# Altium PCB 4in1_ESC_8layer.PcbDoc (part 1 of 2) (continued)
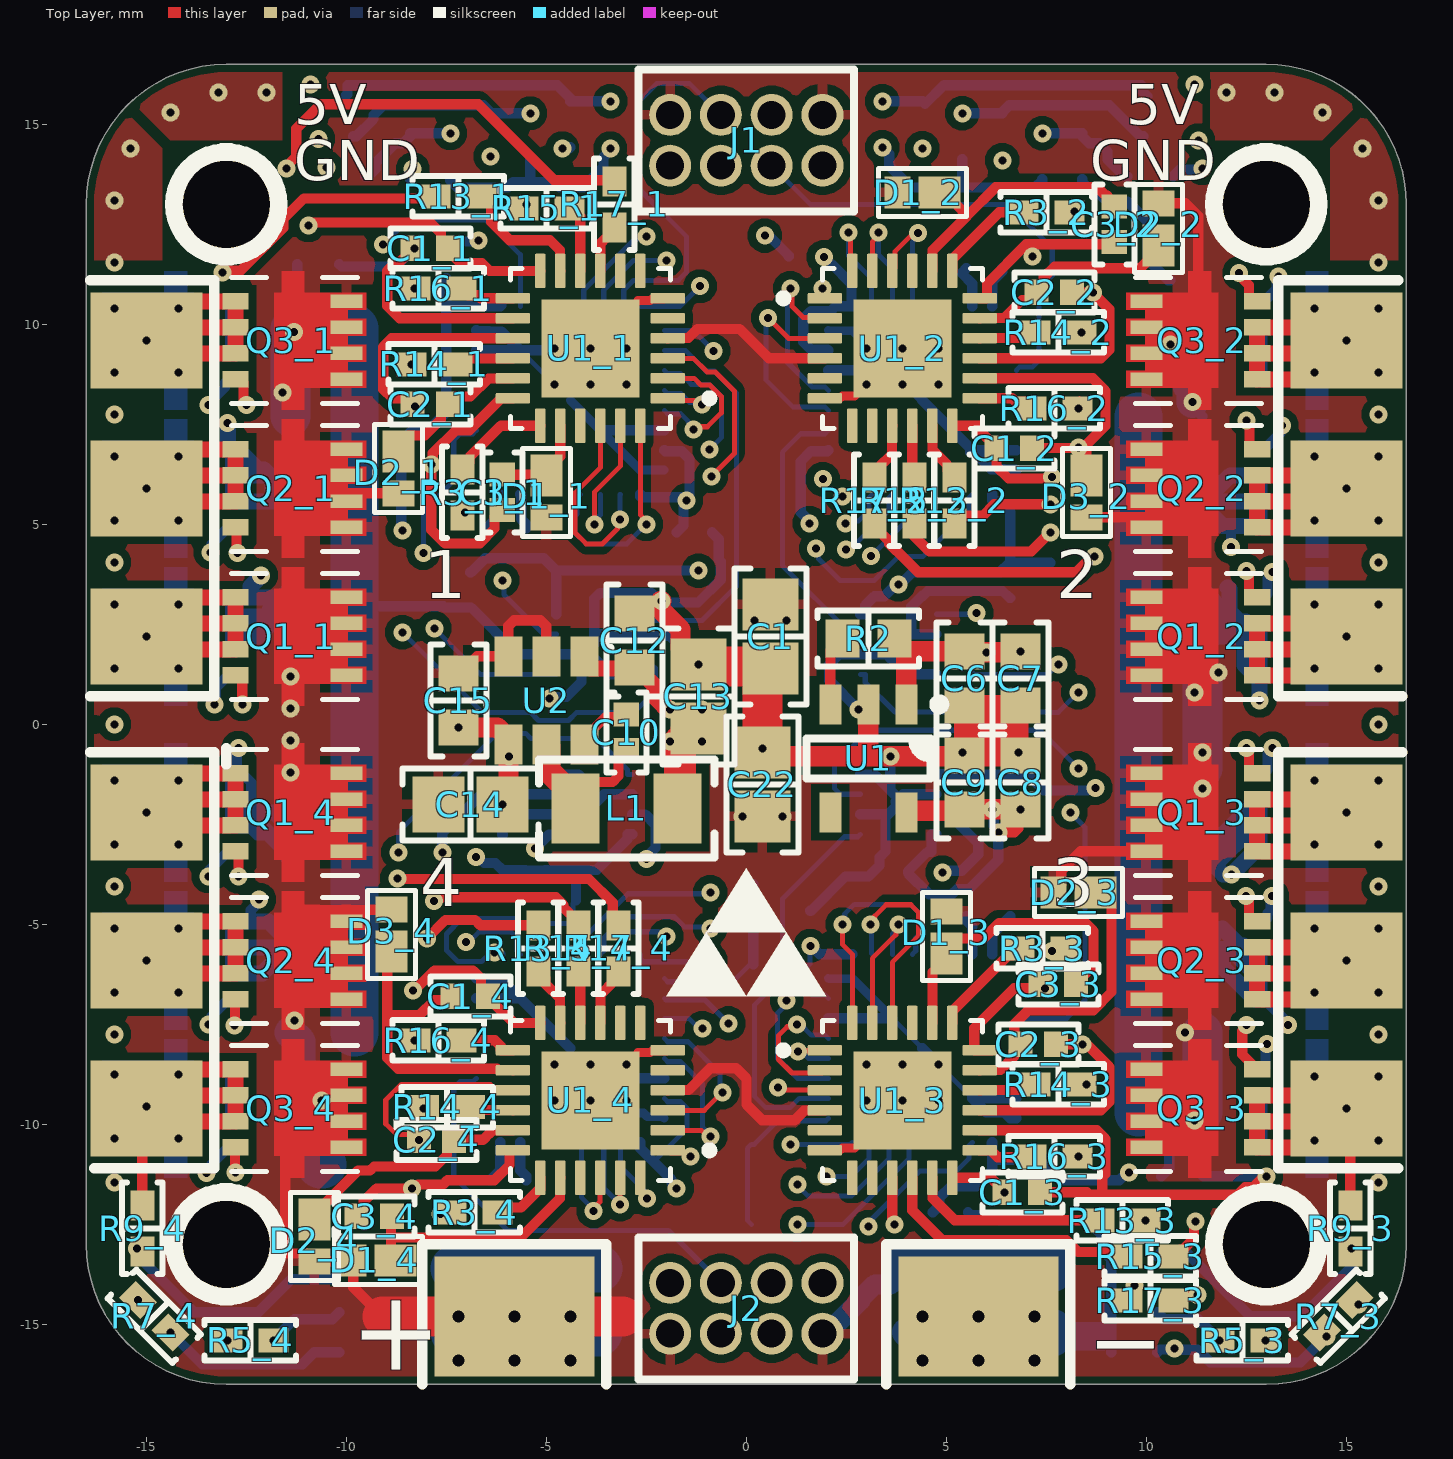
[diagram p0: Top Layer view]
## Footprints (in the part's own frame and the unit in brackets; to place one, negate y for a bottom-side part, rotate by r counter-clockwise, add the part's x,y. Pads: shape width x height; smd on the part's side, far side on the other; paste and mask are expansions set on the pad)
62200821121 [mm] "Pin Header, pitch 1.27 mm, THT, Vertical, dual row, 8p"
  round 1.05 hole 0.7: 1(-1.905,-0.635) 2(-1.905,0.635) 3(-0.635,-0.635) 4(-0.635,0.635) 5(0.635,-0.635) 6(0.635,0.635) 7(1.905,-0.635) 8(1.905,0.635)
  silkscreen extent -2.69,-1.78 2.69,1.78, body extent -2.54,-1.7 2.54,1.7, height 5.33
"CAP 0402_1005" [mm] "Chip Capacitor, 2-Leads, Body 1.02x0.51mm, IPC Medium Density"
  rect 0.6x0.64 smd: 1(-0.44,0) 2(0.44,0)
  silkscreen extent -1,-0.5 1,0.5, body extent -0.5,-0.26 0.5,0.26, height 0.52
"CAP 0603_1608" [mm] "Chip Capacitor, 2-Leads, Body 1.60x0.80mm, IPC Medium Density"
  rect 0.9x1 smd: 1(-0.675,0) 2(0.675,0)
  silkscreen extent -1.4,-0.7 1.4,0.7, body extent -0.8,-0.41 0.8,0.41, height 0.82
"CAP 0805_2012" [mm] "Chip Capacitor, 2-Leads, Body 2.00x1.20mm, IPC Medium Density"
  rect 1.3x1.4 smd: 1(-0.8,0) 2(0.8,0)
  silkscreen extent -1.7,-0.9 1.7,0.9, body extent -1,-0.64 1,0.64, height 1.26
"Diode DFN1608D-2 (SOD1608)" [mm]
  rect 1.05x0.8 smd: 1(-0.425,0)
  rect 0.65x0.8 smd: 2(0.625,0)
  silkscreen extent -1.1,-0.6 1.1,0.6, body extent -0.8,-0.4 0.8,0.4, height 0.4
"IND 1008_2520" [mm] "Chip Inductance, 2-leads, Body 2.5x2.1mm, IPC Medium Density"
  rect 1.2x1.75 smd: 1(-1.275,0) 2(1.275,0)
  silkscreen extent -2.18,-1.22 2.2,1.22, body extent -1.3,-1.05 1.3,1.05, height 1
NVTFS015N04CTAG [mm]
  rect 0.66x0.42 smd: 1(-1.47,0.975) 2(-1.47,0.325) 3(-1.47,-0.325) 4(-1.47,-0.975)
  rect 0.8x0.34 smd: 5(1.3,-0.975) 6(1.3,-0.325) 7(1.3,0.325) 8(1.3,0.975)
  Top Layer region: -0.5,-1.185 -0.5,1.185 -0.32,1.185 -0.32,1.73 0.25,1.73 0.25,1.185 1.8,1.185 1.8,0.765 1.33,0.765 1.33,0.535 1.8,0.535 1.8,0.115 1.33,0.115 1.33,-0.115 1.8,-0.115 1.8,-0.535 1.33,-0.535 1.33,-0.765 1.8,-0.765 1.8,-1.185 0.25,-1.185 0.25,-1.73 -0.32,-1.73 -0.32,-1.185
  silkscreen extent -1.58,-1.58 1.58,1.58, body extent -1.7,-1.7 1.7,1.7, height 1.1
QFN50P400X400X60-32N [mm]
  rect 3.45x3.45 smd mask+0.051: 0(0,0)
  rect 0.6x0.3 smd mask+0.051: 1(-2.35,1.75) 2(-2.35,1.25) 3(-2.35,0.75) 4(-2.35,0.25) 5(-2.35,-0.25) 6(-2.35,-0.75) 7(-2.35,-1.25) 8(-2.35,-1.75) 17(2.35,-1.75) 18(2.35,-1.25) 19(2.35,-0.75) 20(2.35,-0.25) 21(2.35,0.25) 22(2.35,0.75) 23(2.35,1.25) 24(2.35,1.75)
  rect 0.3x0.6 smd mask+0.051: 9(-1.75,-2.35) 10(-1.25,-2.35) 11(-0.75,-2.35) 12(-0.25,-2.35) 13(0.25,-2.35) 14(0.75,-2.35) 15(1.25,-2.35) 16(1.75,-2.35) 25(1.75,2.35) 26(1.25,2.35) 27(0.75,2.35) 28(0.25,2.35) 29(-0.25,2.35) 30(-0.75,2.35) 31(-1.25,2.35) 32(-1.75,2.35)
  silkscreen extent -2.6,-2.25 2.25,2.25, body extent -2.25,-2.25 2.25,2.25, height 0.68
QFN50P400X400X100-25N [mm]
  rrect25% 0.86x0.27 smd: 1(-1.935,1.25) 2(-1.935,0.75) 3(-1.935,0.25) 4(-1.935,-0.25) 5(-1.935,-0.75) 6(-1.935,-1.25) 13(1.935,-1.25) 14(1.935,-0.75) 15(1.935,-0.25) 16(1.935,0.25) 17(1.935,0.75) 18(1.935,1.25)
  rrect25% 0.27x0.86 smd: 7(-1.25,-1.935) 8(-0.75,-1.935) 9(-0.25,-1.935) 10(0.25,-1.935) 11(0.75,-1.935) 12(1.25,-1.935) 19(1.25,1.935) 20(0.75,1.935) 21(0.25,1.935) 22(-0.25,1.935) 23(-0.75,1.935) 24(-1.25,1.935)
  rect 2.45x2.45 smd paste-0.45: 25(0,0)
  silkscreen extent -3.08,-2 2,2, body extent -2,-2 2,2, height 1
"RES 0402_1005" [mm] "Chip Resistor, 2-Leads, Body 1.0x0.5mm, IPC Medium Density"
  rect 0.75x0.6 smd: 1(-0.575,0) 2(0.575,0)
  silkscreen extent -1.14,-0.51 1.14,0.51, body extent -0.5,-0.25 0.5,0.25, height 0.35
"RES 0603_1608" [mm] "Chip Resistor, 2-Leads, Body 1.60x0.80mm, IPC Medium Density"
  rect 0.85x0.95 smd: 1(-0.65,0) 2(0.65,0)
  silkscreen extent -1.27,-0.7 1.27,0.7, body extent -0.8,-0.4 0.8,0.4, height 0.45
"RES 0805_2012" [mm] "Chip Resistor, 2-Leads, Body 2.00x1.25mm, IPC Medium Density"
  rect 1.15x1.35 smd: 1(-0.875,0) 2(0.875,0)
  silkscreen extent -1.7,-0.9 1.7,0.9, body extent -1,-0.62 1,0.63, height 0.6
"TI SOT-23-5 DBV" [mm] "SOT23, 5-Leads, Body 2.90x2.80mm, Pitch 0.95mm, IPC Medium Density"
  rect 1x0.55 smd: 1(-1.35,0.95) 2(-1.35,0) 3(-1.35,-0.95) 4(1.35,-0.95) 5(1.35,0.95)
  silkscreen extent -1.47,-1.55 0.5,1.9, body extent -1.44,-1.43 1.39,1.48, height 1.5
"TP  0.635mm" [mm]
  round 0.635 smd: 1(0,0)
"TSOT-26-6 - 3.2mm" [mm]
  rect 0.7x1 smd: 1(0.95,1.1) 2(0,1.1) 3(-0.95,1.1) 4(-0.95,-1.1) 5(0,-1.1) 6(0.95,-1.1)
  silkscreen extent 1.55,1.25 1.66,1.35, body extent -1.45,-1.2 1.45,1.2, height 1
WSON-8_2x2 [mm]
  rrect25% 0.5x0.25 smd: 1(-0.95,0.75) 2(-0.95,0.25) 3(-0.95,-0.25) 4(-0.95,-0.75) 5(0.95,-0.75) 6(0.95,-0.25) 7(0.95,0.25) 8(0.95,0.75)
  rrect5% 0.9x1.6 smd paste-2: 9(0,0)
  silkscreen extent -1.01,1.14 -0.89,1.26, body extent -1,-1 1,1, height 0.8

## Part data
C1 C2 C3 C4 C5 C11 C16 C17 C18 C19 C20 C21 C22 C23 C24 C25 C26 C27 C28 C29 C30 C31: library part CC0805MKX5R8BB226, "CAP CER 22UF 25V X5R 0805", Device Package="0805 (2012 Metric)", Manufacturer=Yageo, Operating Temperature="-55°C ~ 85°C", Supplier Part Number 1=311-1903-1-ND, Temperature Coefficient=X5R, Tolerance=±20%, Voltage - Rated=25V, Applications="General Purpose", Capacitance="22 µF", ComponentLink1Description=Datasheet, ComponentLink1URL=https://www.yageo.com/upload/media/product/productsearch/datasheet/mlcc/UPY-GPHC_X5R_4V-to-50V_25.pdf, ComponentLink2Description="DigiKey Link", ComponentLink2URL=https://www.digikey.com/en/products/detail/yageo/CC0805MKX5R8BB226/5195309, Lifecycle Status=Active, Minimum Order=1, Mounting Type="Surface Mount, MLCC", Package / Case="0805 (2012 Metric)", Packaging=TapeAndReel, Part Number=CC0805MKX5R8BB226, Part Status=Active, PartId=39226, Price=0.10, Series=CC, Size / Dimension="0.079\" L x 0.049\" W (2.00mm x 1.25mm)", Supplier 1=DigiKey, Thickness (Max)="0.057\" (1.45mm)"
  C1 C2 C3 C4 C5 C11 C16 C17 C18 C19 C21 C22 C23 C24 C25 C26 C27 C28 C29 C30 C31: LastUpdated="8/21/2022 8:03:23 PM"
  C20: LastUpdated="8/25/2022 6:52:09 AM"
C1_1 C1_2 C1_3 C1_4 C2_1 C2_2 C2_3 C2_4 C3_1 C3_2 C3_3 C3_4 C16_1 C16_2 C16_3 C16_4 C17_1 C17_2 C17_3 C17_4 C32_1 C32_2 C32_3 C32_4: library part C0402C104K4RACAUTO, "CAP CER 0.1UF 16V X7R 0402", Device Package="0402 (1005 Metric)", Manufacturer=KEMET, Operating Temperature="-55°C ~ 125°C", Ratings=AEC-Q200, Supplier Part Number 1=399-6828-1-ND, Temperature Coefficient=X7R, Tolerance=±10%, Voltage - Rated=16V, Applications="Automotive, Bypass, Decoupling", Capacitance="0.1 µF", ComponentLink1Description=Datasheet, ComponentLink1URL=https://api.kemet.com/component-edge/download/specsheet/C0402C104K4RACAUTO.pdf, ComponentLink2Description="DigiKey Link", ComponentLink2URL=https://www.digikey.com/en/products/detail/kemet/C0402C104K4RACAUTO/3314827, LastUpdated="8/14/2022 9:05:51 PM", Lifecycle Status=Active, Minimum Order=1, Mounting Type="Surface Mount, MLCC", Package / Case="0402 (1005 Metric)", Packaging=TapeAndReel, Part Number=C0402C104K4RACAUTO, Part Status=Active, PartId=3024, Price=0.01, Series="SMD Auto X7R", Size / Dimension="0.039\" L x 0.020\" W (1.00mm x 0.50mm)", Supplier 1=DigiKey, Thickness (Max)="0.022\" (0.55mm)"
C6 C9 C12: library part GCJ188R71E105KA01D, "CAP CER 1UF 25V X7R 0603", Device Package="0603 (1608 Metric)", Manufacturer="Murata Electronics", Operating Temperature="-55°C ~ 125°C", Ratings=AEC-Q200, Supplier Part Number 1=490-14409-1-ND, Temperature Coefficient=X7R, Tolerance=±10%, Applications="Automotive, Boardflex Sensitive", Capacitance=1µF, ComponentLink1Description=Datasheet, ComponentLink1URL=https://search.murata.co.jp/Ceramy/image/img/A01X/G101/ENG/GCJ188R71E105KA01-01.pdf, ComponentLink2Description="DigiKey Link", ComponentLink2URL=http://digikey.com/product-detail/en/murata-electronics/GCJ188R71E105KA01D/490-14409-1-ND/6606870, Features="Soft Termination", LastUpdated="13-Aug-20 10:24:06 AM", Lifecycle Status=Active, Minimum Order=1, Mounting Type="Surface Mount, MLCC", Package / Case="0603 (1608 Metric)", Packaging=TapeAndReel, Part Number=GCJ188R71E105KA01D, Part Status=Active, PartId=9566, Price=0.05, Series=GCJ, Size / Dimension="0.063\" L x 0.031\" W (1.60mm x 0.80mm)", Supplier 1=DigiKey, Thickness (Max)="0.035\" (0.90mm)"
C7 C8 C15: library part GCG188R92A104KA03D, "CAP CER 0.1UF 100V 0603 EPOXY", Device Package="0603 (1608 Metric)", Manufacturer="Murata Electronics", Operating Temperature="-55°C ~ 150°C", Ratings=AEC-Q200, Supplier Part Number 1=490-18197-1-ND, Temperature Coefficient=X8R, Tolerance=±10%, Voltage - Rated=100V, Applications=Automotive, Capacitance=0.1µF, ComponentLink1Description=Datasheet, ComponentLink1URL=https://search.murata.co.jp/Ceramy/image/img/A01X/G101/ENG/GCG188R92A104KA03-01.pdf, ComponentLink2Description="DigiKey Link", ComponentLink2URL=http://digikey.com/product-detail/en/murata-electronics/GCG188R92A104KA03D/490-18197-1-ND/9867926, Features="Epoxy Mountable", LastUpdated="21-Jan-20 12:01:59 AM", Lifecycle Status=Active, Minimum Order=1, Mounting Type="Surface Mount, MLCC, Epoxy", Package / Case="0603 (1608 Metric)", Packaging=TapeAndReel, Part Number=GCG188R92A104KA03D, Part Status=Active, PartId=9025, Price=0.07, Series=GCG, Size / Dimension="0.063\" L x 0.031\" W (1.60mm x 0.80mm)", Supplier 1=DigiKey, Thickness (Max)="0.035\" (0.90mm)"
C10: library part C0402C104K4RACAUTO, "CAP CER 0.1UF 16V X7R 0402", Capacitance="0.1 µF", Device Package="0402 (1005 Metric)", Manufacturer=KEMET, Operating Temperature="-55°C ~ 125°C", Ratings=AEC-Q200, Supplier Part Number 1=399-6828-1-ND, Temperature Coefficient=X7R, Tolerance=±10%, Voltage - Rated=16V, Applications="Automotive, Bypass, Decoupling", ComponentLink1Description=Datasheet, ComponentLink1URL=https://api.kemet.com/component-edge/download/specsheet/C0402C104K4RACAUTO.pdf, ComponentLink2Description="DigiKey Link", ComponentLink2URL=https://www.digikey.com/en/products/detail/kemet/C0402C104K4RACAUTO/3314827, LastUpdated="8/14/2022 9:05:51 PM", Lifecycle Status=Active, Minimum Order=1, Mounting Type="Surface Mount, MLCC", Package / Case="0402 (1005 Metric)", Packaging=TapeAndReel, Part Number=C0402C104K4RACAUTO, Part Status=Active, PartId=3024, Price=0.01, Series="SMD Auto X7R", Size / Dimension="0.039\" L x 0.020\" W (1.00mm x 0.50mm)", Supplier 1=DigiKey, Thickness (Max)="0.022\" (0.55mm)"
C13: library part CL21A226MOQNNNE, "CAP CER 22UF 16V X5R 0805", Device Package="0805 (2012 Metric)", Manufacturer="Samsung Electro-Mechanics", Operating Temperature="-55°C ~ 85°C", Supplier Part Number 1=1276-2909-1-ND, Temperature Coefficient=X5R, Tolerance=±20%, Voltage - Rated=16V, Applications="General Purpose", Capacitance=22µF, ComponentLink1Description=Datasheet, ComponentLink1URL=http://www.samsungsem.com/kr/support/product-search/mlcc/CL21A226MOQNNNE.jsp, ComponentLink2Description="DigiKey Link", ComponentLink2URL=http://digikey.com/product-detail/en/samsung-electro-mechanics/CL21A226MOQNNNE/1276-2909-1-ND/3890995, LastUpdated="21-Jan-20 12:03:05 AM", Lifecycle Status=Active, Minimum Order=1, Mounting Type="Surface Mount, MLCC", Package / Case="0805 (2012 Metric)", Packaging=TapeAndReel, Part Number=CL21A226MOQNNNE, Part Status=Active, PartId=3052, Price=0.11, Series=CL, Size / Dimension="0.079\" L x 0.049\" W (2.00mm x 1.25mm)", Supplier 1=DigiKey, Thickness (Max)="0.055\" (1.40mm)"
C14: library part C2012X7S1E106K125AC, "CAP CER 10UF 25V X7S 0805", Capacitance=10µF, Device Package="0805 (2012 Metric)", Manufacturer="TDK Corporation", Operating Temperature="-55°C ~ 125°C", Supplier Part Number 1=445-181600-1-ND, Temperature Coefficient=X7S, Tolerance=±10%, Voltage - Rated=25V, Applications="General Purpose", ComponentLink1Description=Datasheet, ComponentLink1URL=https://product.tdk.com/en/search/capacitor/ceramic/mlcc/info?part_no=C2012X7S1E106K125AC?ref_disty=digikey, ComponentLink2Description="DigiKey Link", ComponentLink2URL=http://digikey.com/product-detail/en/tdk-corporation/C2012X7S1E106K125AC/445-181600-1-ND/9991478, Features="Low ESL", LastUpdated="21-Jan-20 12:03:04 AM", Lifecycle Status=Active, Minimum Order=1, Mounting Type="Surface Mount, MLCC", Package / Case="0805 (2012 Metric)", Packaging=TapeAndReel, Part Number=C2012X7S1E106K125AC, Part Status=Active, PartId=3339, Price=0.15, Series=C, Size / Dimension="0.079\" L x 0.049\" W (2.00mm x 1.25mm)", Supplier 1=DigiKey, Thickness (Max)="0.057\" (1.45mm)"
D1_1 D1_2 D1_3 D1_4 D2_1 D2_2 D2_3 D2_4 D3_1 D3_2 D3_3 D3_4: "DFN1608D-2 (SOD1608)", Digikey Part Number=CLV1L-FKB-CHMMQEHBB7673673-ND, Manufacturer=Cree, Mouser Part Number=941-CLV1LFKBC7673673, Package=LED_3MM2X2MM8, Temperature="-40°C to +100°C", Temperature Range High=+100°C, Temperature Range Low=-40°C, ComponentLink1Description=Upverter, ComponentLink1URL=https://upverter.com/upn/revision/9d0b31f7b1982705/, ComponentLink2Description=Datasheet, ComponentLink2URL=http://www.cree.com/~/media/Files/Cree/LED-Components-and-Modules/HB/Data-Sheets/CLV1L-FKB-1238.pdf, Digikey Description="DIODE LED RGB DIFFUSED 4LCC SMD", Lead Free=yes, Price=0.203999996142, RoHS=TRUE, Supplier 1=Digi-Key, Supplier 2=Mouser, Supplier Part Number 1=CLV1L-FKB-CHMMQEHBB7673673-ND, Supplier Part Number 2=941-CLV1LFKBC7673673
J1 J2: "WR-PHD Pin Header, THT, pitch 1.27mm, Dual Row, Vertical, 8p", Contact Resistance=20mOhm, Manufacturer="Wurth Elektronik", Operating Temperature="-40 to +105degC", Rated Current=1A, Withstanding Voltage=500VAC, Working Voltage=100VAC, ComponentLink1Description=Manufacturer, ComponentLink1URL=http://www.we-online.de, ComponentLink2Description=Datasheet, ComponentLink2URL=https://www.we-online.com/catalog/datasheet/62200821121.pdf, Gender="Pin Header", Manufacturer Part Number=62200821121, Mounting Technology=THT, Orientation=Vertical, Packaging=Box, Pin Number=8, Pitch=1.27mm, Published Date="May 2020", Row Number=Dual, System=Connector
L1: library part MLP2520S4R7ST0S1, "FIXED IND 4.7UH 1A 110 MOHM SMD", Current Rating (Amps)=1A, DC Resistance (DCR)="143mOhm Max", Device Package="1008 (2520 Metric)", Inductance Frequency - Test=2MHz, Manufacturer="TDK Corporation", Operating Temperature="-40°C ~ 125°C", Supplier Part Number 1=445-6378-1-ND, Tolerance=±20%, ComponentLink1Description=Datasheet, ComponentLink1URL=https://product.tdk.com/info/en/catalog/datasheets/inductor_commercial_power_mlp2520_en.pdf?ref_disty=digikey, ComponentLink2Description="DigiKey Link", ComponentLink2URL=http://digikey.com/product-detail/en/tdk-corporation/MLP2520S4R7ST0S1/445-6378-1-ND/2465705, Height - Seated (Max)="0.039\" (1.00mm)", Inductance=4.7µH, LastUpdated="13-Aug-20 11:03:40 AM", Lifecycle Status=Active, Material - Core=Ferrite, Minimum Order=1, Mounting Type="Surface Mount", Package / Case="1008 (2520 Metric)", Packaging=TapeAndReel, Part Number=MLP2520S4R7ST0S1, Part Status=Active, PartId=3467, Price=0.14, Series=MLP, Shielding=Shielded, Size / Dimension="0.098\" L x 0.079\" W (2.50mm x 2.00mm)", Supplier 1=DigiKey, Supplier Device Package="1008 (2520 Metric)", Type=Multilayer
Q1_1 Q1_2 Q1_3 Q1_4 Q2_1 Q2_2 Q2_3 Q2_4 Q3_1 Q3_2 Q3_3 Q3_4 Q4_1 Q4_2 Q4_3 Q4_4 Q5_1 Q5_2 Q5_3 Q5_4 Q6_1 Q6_2 Q6_3 Q6_4: "N-FET"
R1_1 R1_2 R1_3 R1_4 R18_1 R18_2 R18_3 R18_4: library part PCAN0805E2002BST5, "RES SMD 20K OHM 0.1% 1W 0805", Device Package="0805 (2012 Metric)", Manufacturer="Vishay Thin Film", Operating Temperature="-55°C ~ 155°C", Power (Watts)=1W, Supplier Device Package=0805, Supplier Part Number 1=764-1242-1-ND, Temperature Coefficient=±25ppm/°C, Tolerance=±0.1%, ComponentLink1Description=Datasheet, ComponentLink1URL=http://www.vishay.com/docs/60125/pcan.pdf, ComponentLink2Description="DigiKey Link", ComponentLink2URL=http://digikey.com/product-detail/en/vishay-thin-film/PCAN0805E2002BST5/764-1242-1-ND/6003316, Composition="Thin Film", Features="Flame Proof, Moisture Resistant, Safety", Height - Seated (Max)="0.018\" (0.46mm)", LastUpdated="8/26/2022 12:02:22 PM", Lifecycle Status=Active, Minimum Order=1, Number of Terminations=2, Package / Case="0805 (2012 Metric)", Packaging=TapeAndReel, Part Number=PCAN0805E2002BST5, Part Status=Active, PartId=32096, Price=0.59, Resistance="20 kOhms", Series=PCAN, Size / Dimension="0.080\" L x 0.050\" W (2.03mm x 1.27mm)", Supplier 1=DigiKey
R2: library part RNCS0603BKE10K0, "RES 10K OHM 0.1% 1/16W 0603", Device Package="0603 (1608 Metric)", Manufacturer="Stackpole Electronics Inc", Operating Temperature="-55°C ~ 155°C", Power (Watts)="0.063W, 1/16W", Ratings=AEC-Q200, Supplier Device Package=0603, Supplier Part Number 1=RNCS0603BKE10K0CT-ND, Temperature Coefficient=±25ppm/°C, Tolerance=±0.1%, ComponentLink1Description=Datasheet, ComponentLink1URL=https://www.seielect.com/catalog/sei-rncs_rnch.pdf, ComponentLink2Description="DigiKey Link", ComponentLink2URL=http://digikey.com/product-detail/en/stackpole-electronics-inc/RNCS0603BKE10K0/RNCS0603BKE10K0CT-ND/1800113, Composition="Thin Film", Features="Anti-Corrosive, Automotive AEC-Q200, Moisture Resistant", Height - Seated (Max)="0.022\" (0.55mm)", LastUpdated="21-Jan-20 12:25:01 AM", Lifecycle Status=Active, Minimum Order=1, Number of Terminations=2, Package / Case="0603 (1608 Metric)", Packaging=TapeAndReel, Part Number=RNCS0603BKE10K0, Part Status=Active, PartId=4838, Price=0.08, Resistance="10 kOhms", Series=RNCS, Size / Dimension="0.061\" L x 0.031\" W (1.55mm x 0.80mm)", Supplier 1=DigiKey
R3_1 R3_2 R3_3 R3_4 R4_1 R4_2 R4_3 R4_4 R5_1 R5_2 R5_3 R5_4 R6_1 R6_2 R6_3 R6_4 R7_1 R7_2 R7_3 R7_4 R8_1 R8_2 R8_3 R8_4 R9_1 R9_2 R9_3 R9_4 R10_1 R10_2 R10_3 R10_4 R11_1 R11_2 R11_3 R11_4 R12_1 R12_2 R12_3 R12_4 R13_1 R13_2 R13_3 R13_4 R14_1 R14_2 R14_3 R14_4 R15_1 R15_2 R15_3 R15_4 R16_1 R16_2 R16_3 R16_4 R17_1 R17_2 R17_3 R17_4: library part RK73H1ETTP1432F, "RES 14.3K OHM 1% 1/10W 0402", Device Package="0402 (1005 Metric)", Manufacturer="KOA Speer Electronics, Inc.", Operating Temperature="-55°C ~ 155°C", Power (Watts)="0.1W, 1/10W", Ratings=AEC-Q200, Resistance="14.3 kOhms", Supplier Device Package=0402, Supplier Part Number 1=2019-RK73H1ETTP1432FCT-ND, Temperature Coefficient=±100ppm/°C, Tolerance=±1%, ComponentLink1Description=Datasheet, ComponentLink1URL=http://www.koaspeer.com/catimages/Products/RK73H/RK73H.pdf, ComponentLink2Description="DigiKey Link", ComponentLink2URL=https://www.digikey.com/en/products/detail/koa-speer-electronics-inc/RK73H1ETTP1432F/9844351, Composition="Thick Film", Features="Automotive AEC-Q200, Moisture Resistant", Height - Seated (Max)="0.016\" (0.40mm)", LastUpdated="8/14/2022 9:23:49 PM", Lifecycle Status=Active, Minimum Order=1, Number of Terminations=2, Package / Case="0402 (1005 Metric)", Packaging=CutTape, Part Number=RK73H1ETTP1432F, Part Status=Active, PartId=10193, Price=0.01, Series=RK73H, Size / Dimension="0.039\" L x 0.020\" W (1.00mm x 0.50mm)", Supplier 1=DigiKey
TP1_1 TP1_2 TP1_3 TP1_4 TP2_1 TP2_2 TP2_3 TP2_4: library part "TP 0.635mm", "Test point"
U1: library part MIC5504-3.3YM5, "3.3V LDO"
U1_1 U1_2 U1_3 U1_4: "3 Phase Gate Driver 1.5-2.2A", Package="VSON-10 Texas Instruments", Availability=Warning, DigiKey-Purchase-URL=https://snapeda.com/shop?store=DigiKey&id=3625400, MF="Texas Instruments", MP=UCC27282DRCR, Price=None, SnapEDA_Link=https://www.snapeda.com/parts/UCC27282DRCR/Texas%20Instruments/view-part/3625400/?ref=snap, Texas_Instruments-Purchase-URL=https://snapeda.com/shop?store=Texas+Instruments&id=3625400
U2: library part AP63205WU-7, "5V fixed step down Buck"
U3_1 U3_2 U3_3 U3_4: "MCU UFQFPN-32"
U4_1 U4_2 U4_3 U4_4: "Current sense amplifier 4 channel"

## Free pads (board coordinates)
  rect 2.8x2.4 smd: 1(-15,-2.2) 1(-15,2.2) 1(15,-2.2) 1(15,2.2) 2(-15,-5.9) 2(15,-5.9) 2(15,5.9) 3(-15,-9.6) 3(-15,5.9) 3(-15,9.6) 3(15,-9.6) 3(15,9.6)
  round 1.524 hole 2.2: 1(-13,-13) 1(-13,13) 1(13,-13) 1(13,13)
  rect 4x3 smd: 2(-5.8,-14.8) 2(5.8,-14.8)

## Via types
v1: diameter 0.45, hole 0.2, Top Layer to Bottom Layer, tented both sides, 328 vias
v2: diameter 0.6, hole 0.3, Top Layer to Bottom Layer, tented both sides, 12 vias

## Nets (pads, with @x,y where several pads share a name; then routed paths per layer and width w, separated by ;. In a path a pad name is that pad's centre, name@x,y a point inside that pad or via, vN(x,y) a via of type N, cw(c..) or ccw(c..) an arc to the next point about the centre after c; other vN are vias at no path point)
3V3: C8.1 C9.2 C16_1.2 C16_2.2 C16_3.2 C16_4.2 C17_1.2 C17_2.2 C17_3.2 C17_4.2 C32_1.1 C32_2.1 C32_3.1 C32_4.1 U1.5 U3_1.1 U3_1.15 U3_1.17 U3_2.1 U3_2.15 U3_2.17 U3_3.1 U3_3.15 U3_3.17 U3_4.1 U3_4.15 U3_4.17 U4_1.8 U4_2.8 U4_3.8 U4_4.8 | length 66.5
  Top Layer w0.254: v1(6.3,-2.7) 6.7,-2.7 6.8,-2.6 6.8,-2.175 v1(6.85,-2.125)
  Top Layer w0.512: U1.5@4,-2.2 4,-2.181 4.019,-2.163 5.412,-2.163 C9.2@5.45,-2.125 v1(6.15,-2.125) v1(6.85,-2.125)
  Bottom Layer w0.127: v1(-6.3,-5.7) -6.387,-5.7 -6.621,-5.934 -7.21,-5.934 -7.496,-5.648 -7.496,-5.243 -7.112,-4.86 -5.755,-4.86 -5.631,-4.984 -4.483,-4.984 -4.336,-4.836 -4.336,-4.476 C17_4.2@-4.26,-4.4 ; -2.325,-10.925 -2.302,-10.925 -1.486,-10.109 -1.486,-9.591 -1.641,-9.436 -1.963,-9.436 U3_4.15@-2.05,-9.35 ; v1(1.6,-5.54) 1.589,-5.551 1.589,-5.989 1.486,-6.091 1.486,-6.609 1.641,-6.763 1.963,-6.763 U3_3.15@2.05,-6.85
  Bottom Layer w0.254: v1(-8.6,4.848) -8.627,4.875 -8.627,7.073 -8.4,7.3 -8,7.3 -7.5,7.8 -7.5,10.5 ; C16_1.2@-7.5,11.16 -7.5,10.5 ; C32_1.1@-6.9,3.8 -6.88,3.8 -6.528,4.152 -5.06,4.152 -4.75,3.842 ; v1@-6.783,-3.317 v1(-6.759,-3.317) -6.705,-3.317 -6.555,-3.467 -6.273,-3.467 C32_4.1@-6.1,-3.64 -5.526,-3.64 -5.508,-3.658 -5.051,-3.658 -5.033,-3.64 -4.26,-3.64 ; v1(-6.3,-5.7) -6.275,-5.725 -6.173,-5.725 U3_4.1@-6.15,-5.75 U3_4.1@-6.15,-5.75 ; U4_1.8@-4.75,2.75 -4.75,3.842 ; C17_4.2@-4.26,-4.4 -4.26,-3.64 ; -3.741,-3.64 -4.26,-3.64 ; -3.723,-3.622 -2.973,-2.872 -2.973,-2.752 -2.971,-2.75 U4_4.8@-2.85,-2.75 ; U3_4.17@-2.65,-10.45 -2.65,-10.6 -2.325,-10.925 -1.873,-11.377 -1.873,-11.467 v1(-1.74,-11.6) ; U3_1.17@-2.65,5.75 -2.65,5.698 -2.627,5.675 -1.575,5.675 v1(-1.5,5.6) ; U3_1.15@-2.05,6.85 -2.027,6.827 -1.615,6.827 -1.423,6.635 -1.423,5.73 -1.5,5.653 v1(-1.5,5.6) ; C17_1.2@-1.74,4.8 -1.567,4.973 -1.567,5.48 -1.5,5.547 v1(-1.5,5.6) ; v1(-1.193,3.842) -4.75,3.842 ; v1(1.6,-5.54) 1.62,-5.54 1.83,-5.75 U3_3.17@2.65,-5.75 ; C17_2.2@1.94,11.7 v1(1.94,11.68) 2.113,11.507 2.133,11.507 2.627,11.013 2.627,10.473 U3_2.17@2.65,10.45 2.231,10.45 2.108,10.327 1.615,10.327 1.423,10.135 1.423,9.565 1.615,9.373 2.027,9.373 U3_2.15@2.05,9.35 ; U4_2.8@2.85,2.75 2.971,2.75 2.973,2.752 2.973,2.973 3.202,3.202 3.449,3.202 3.747,3.5 v1(3.8,3.5) 3.853,3.5 4.153,3.8 6.34,3.8 6.58,4.04 C32_2.1@6.6,4.04 ; C16_3.2@4.66,-12.2 4.833,-12.027 4.833,-11.825 5.105,-11.553 5.747,-11.553 6.15,-11.15 6.15,-10.8 ; U4_3.8@4.75,-2.75 4.629,-2.75 4.627,-2.752 4.627,-3.192 4.528,-3.192 4.04,-3.68 C32_3.1@4.04,-3.7 4.04,-3.72 4.572,-4.252 5.137,-4.252 5.272,-4.116 5.573,-4.116 6.3,-3.389 v1(6.3,-2.7) v1@6.3,-2.687 ; U3_3.1@6.127,-10.473 U3_3.1@6.15,-10.45 6.15,-10.8 ; U3_2.1@6.15,5.75 6.15,5.6 6.173,5.577 6.323,5.577 6.6,5.3 C32_2.1@6.6,4.04 ; C16_2.2@7.6,4.04 C32_2.1@6.6,4.04 ; v1(9.571,-11.21) 9.518,-11.21 9.328,-11.4 7.845,-11.4 7.33,-10.885 6.235,-10.885 6.15,-10.8 ; -7.5,10.5 -7.45,10.45 U3_1.1@-6.15,10.45 ; U3_1.1@-6.15,10.45 -6.127,10.473 U3_1.1@-6.15,10.45 ; v1@6.3,-2.687 6.3,-2.647 6.188,-2.534 6.188,-2.163 v1(6.15,-2.125) v1(6.85,-2.125) 6.85,-2.137 v1@6.3,-2.687
5V: C6.2 C7.1 C12.2 C13.2 L1.2 R2.2 U1.1 U2.1 | length 9.9
  Top Layer w0.254: L1.2@-1.725,-2.1 L1.2@-1.662,-2.038
  Top Layer w0.4: U2.1@-3.917,1.833 U2.1@-4.05,1.7 -4.05,1.55 -3.9,1.4 -2.7,1.4 -2.7,1.375 -2.3,0.975 -2.3,0.684 -2.066,0.45 -2.001,0.45 -1.92,0.369 v1(-1.906,0.369)
  Top Layer w0.512: R2.2@3.7,2.15 R2.2@3.7,2.123 ; U1.1@4,0.5 4,1.8 3.7,2.1 R2.2@3.7,2.123 ; v1(6.85,1.825) 6.825,1.8 5.475,1.8 C6.2@5.45,1.825 3.998,1.825 R2.2@3.7,2.123
  Top Layer w0.8: L1.2@-1.662,-2.038 C13.2@-1.662,-0.431
  other v1: -1.906,-0.431 -1.106,-0.431 -1.106,0.369 6,1.8 -14.4,15.3 14.4,15.3 -13.2,15.8 -12,15.8 12,15.8 13.2,15.8
BSTA_1: C3_1.1 D1_1.1 U1_1.20 | length 2.5
  Top Layer w0.254: C3_1.1@-6.1,6.24 -5.015,6.24 D1_1.1@-5,6.225 -5,6.35 -4.65,6.7 U1_1.20@-4.65,7.465
BSTA_2: C3_2.1 D1_2.1 U1_2.20 | length 6.9
  Top Layer w0.254: U1_2.20@4.65,11.335 4.658,11.343 4.658,11.851 4.899,12.092 ; D1_2.1@4.825,13.3 4.95,13.3 5.223,13.027 5.223,13.019 5.525,12.718 4.899,12.092 ; 5.529,12.721 6.234,13.427 8.773,13.427 8.987,13.213 9.027,13.213 9.027,13.113 C3_2.1@9.2,12.94
BSTA_3: C3_3.1 D1_3.1 U1_3.20 | length 7.5
  Top Layer w0.254: U1_3.20@4.65,-7.465 4.658,-7.457 4.658,-6.192 5,-5.85 5,-5.625 5.273,-5.352 5.936,-5.352 6.315,-4.973 8.485,-4.973 8.677,-5.165 8.677,-6.043 8.24,-6.48 C3_3.1@8.24,-6.5
BSTA_4: C3_4.1 D1_4.1 U1_4.20 | length 6.3
  Top Layer w0.254: D1_4.1@-9.075,-13.4 -8.88,-13.205 -8.88,-12.827 ; C3_4.1@-8.86,-12.3 -8.88,-12.32 -8.88,-12.827 ; U1_4.20@-4.65,-11.335 -4.658,-11.343 -4.658,-11.851 -4.899,-12.092 -5.634,-12.827 -8.88,-12.827
BSTB_1: C2_1.1 D2_1.1 U1_1.17 | length 3.8
  Top Layer w0.254: D2_1.1@-8.7,6.825 -8.7,6.95 -8.427,7.223 -8.035,7.223 -7.633,7.625 -7.633,7.827 C2_1.1@-7.46,8 -7.46,8.02 -7.287,8.193 -6.895,8.193 -6.446,8.642 -5.843,8.642 U1_1.17@-5.835,8.65
BSTB_2: C2_2.1 D2_2.1 U1_2.17 | length 5.5
  Top Layer w0.254: U1_2.17@5.835,10.15 5.843,10.158 6.446,10.158 6.895,10.607 7.087,10.607 7.26,10.78 C2_2.1@7.26,10.8 7.433,10.973 7.433,11.175 7.705,11.447 8.731,11.447 8.778,11.4 9.85,11.4 10.3,11.85 D2_2.1@10.3,11.975
BSTB_3: C2_3.1 D2_3.1 U1_3.17 | length 7.6
  Top Layer w0.254: U1_3.17@5.835,-8.65 5.843,-8.642 6.358,-8.642 6.687,-8.313 6.687,-8.173 C2_3.1@6.86,-8 ; C2_3.1@6.996,-7.864 C2_3.1@6.86,-8 ; D2_3.1@8.725,-4.2 8.85,-4.2 9.131,-4.481 9.131,-6.691 8.675,-7.147 7.605,-7.147 7.6,-7.152 7.048,-7.152 6.7,-7.5 6.7,-7.84 C2_3.1@6.86,-8
BSTB_4: C2_4.1 D2_4.1 U1_4.17 | length 6.2
  Top Layer w0.127: C2_4.1@-7.544,-10.628 -7.481,-10.564 C2_4.1@-7.308,-10.391
  Top Layer w0.254: D2_4.1@-10.8,-12.375 -10.8,-12.25 -9.702,-11.152 -9.405,-11.152 -9.307,-11.054 -7.769,-11.054 -7.481,-10.767 C2_4.1@-7.481,-10.564 ; C2_4.1@-7.26,-10.5 -7.146,-10.386 -6.579,-10.386 -6.42,-10.227 -6.415,-10.227 -6.346,-10.158 -5.843,-10.158 U1_4.17@-5.835,-10.15
BSTC_1: C1_1.1 D3_1.1 U1_1.14 | length 7.2
  Top Layer w0.254: C1_1.1@-8.378,11.862 C1_1.1@-8.34,11.9 ; v1(-8.3,11.9) C1_1.1@-8.34,11.9 ; U1_1.14@-5.835,10.15 -8.662,10.15 -8.977,10.465 -8.977,11.335 -8.785,11.527 -8.693,11.527 -8.34,11.88 C1_1.1@-8.34,11.9
  Bottom Layer w0.254: D3_1.1@-10.175,11.5 -10.118,11.443 -8.757,11.443 v1(-8.3,11.9)
BSTC_2: C1_2.1 D3_2.1 U1_2.14 | length 7.7
  Top Layer w0.254: U1_2.14@5.835,8.65 8.662,8.65 8.977,8.335 8.977,7.465 v1@8.5,6.988 ; C1_2.1@7.14,6.9 7.147,6.907 8.295,6.907 v1(8.302,6.914) 8.302,6.423 D3_2.1@8.5,6.225 v1@8.5,6.988 ; v1@8.406,6.894 v1@8.5,6.988 ; 8.556,7.044 v1@8.5,6.988
BSTC_3: C1_3.1 D3_3.1 U1_3.14 | length 12.1
  Top Layer w0.254: U1_3.14@5.835,-10.15 8.762,-10.15 8.977,-10.365 8.977,-11.235 8.9,-11.312 8.9,-11.762 ; C1_3.1@7.34,-11.7 8.512,-11.7 8.574,-11.762 8.9,-11.762 ; v1(13,-11.3) 12.947,-11.3 12.674,-11.573 12.474,-11.573 12.285,-11.762 8.9,-11.762
  Bottom Layer w0.254: D3_3.1@11.425,-11.3 v1(13,-11.3)
BSTC_4: C1_4.1 D3_4.1 U1_4.14 | length 7.8
  Top Layer w0.254: D3_4.1@-8.869,-5.685 -8.977,-5.793 -8.977,-7.3 ; C1_4.1@-7.34,-6.8 -7.433,-6.893 -7.793,-6.893 -8.173,-7.273 -8.95,-7.273 -8.977,-7.3 ; U1_4.14@-5.835,-8.65 -5.843,-8.642 -6.209,-8.642 -6.239,-8.612 -8.7,-8.612 -8.977,-8.335 -8.977,-7.3
ESC1: J1.3 U3_1.27 | length 18.5
  Layer 3 w0.127: v1(-8.075,4.282) -6.528,4.282 -2.009,8.8 -0.659,8.8 -0.328,9.131 -0.328,12.79 -0.635,13.097 J1.3@-0.635,13.965
  Bottom Layer w0.127: v1(-8.075,4.282) -8.075,5.325 -7.314,6.086 -7.314,7.109 -7.159,7.264 -6.837,7.264 U3_1.27@-6.75,7.35
ESC2: J1.5 U3_2.27 | length 11.5
  Bottom Layer w0.127: J1.5@0.635,13.965 1.6,13 6.551,13 7.648,11.902 7.648,11.222 7.313,10.887 7.313,9.091 7.159,8.936 6.836,8.936 U3_2.27@6.75,8.85
ESC3: J2.3 U3_3.27 | length 21.6
  Layer 3 w0.127: J2.3@0.635,-13.965 0.611,-13.941 0.611,-10.198 8.1,-2.709 v1(8.1,-2.204)
  Bottom Layer w0.127: U3_3.27@6.75,-7.35 8.012,-7.35 8.463,-6.898 8.463,-2.567 v1(8.1,-2.204)
ESC4: J2.5 U3_4.27 | length 10.7
  Bottom Layer w0.127: U3_4.27@-6.75,-8.85 -6.836,-8.936 -7.159,-8.936 -7.313,-9.091 -7.313,-11.308 -5.965,-12.657 -1.943,-12.657 J2.5@-0.635,-13.965
GHA_1: R3_1.1 U1_1.19 | length 2.5
  Top Layer w0.254: R3_1.1@-7.1,6.375 -6.927,6.548 -6.927,6.673 -6.135,7.465 U1_1.19@-5.15,7.465
GHA_2: R3_2.1 U1_2.19 | length 2.6
  Top Layer w0.254: U1_2.19@5.15,11.335 5.15,11.63 6.32,12.8 R3_2.1@6.925,12.8
GHA_3: R3_3.1 U1_3.19 | length 2.6
  Top Layer w0.254: U1_3.19@5.15,-7.465 5.158,-7.457 5.158,-7.162 6.547,-5.773 6.652,-5.773 R3_3.1@6.825,-5.6
GHA_4: R3_4.1 U1_4.19 | length 1.6
  Top Layer w0.254: R3_4.1@-6.225,-12.2 -6.108,-12.083 -5.636,-12.083 -5.192,-11.638 -5.158,-11.638 -5.15,-11.63 U1_4.19@-5.15,-11.335
GHB_1: R14_1.1 U1_1.16 | length 1.5
  Top Layer w0.254: R14_1.1@-7.225,9 -7.083,9.142 -5.843,9.142 U1_1.16@-5.835,9.15
GHB_2: R14_2.1 U1_2.16 | length 1.5
  Top Layer w0.254: U1_2.16@5.835,9.65 5.843,9.658 7.083,9.658 R14_2.1@7.225,9.8
GHB_3: R14_3.1 U1_3.16 | length 1.5
  Top Layer w0.254: U1_3.16@5.835,-9.15 5.843,-9.142 7.083,-9.142 R14_3.1@7.225,-9
GHB_4: R14_4.1 U1_4.16 | length 1.1
  Top Layer w0.254: R14_4.1@-6.925,-9.6 -6.883,-9.642 -5.843,-9.642 U1_4.16@-5.835,-9.65
GHC_1: R16_1.1 U1_1.13 | length 1.4
  Top Layer w0.254: R16_1.1@-7.125,10.9 -6.952,10.727 -6.723,10.727 -6.646,10.65 U1_1.13@-5.835,10.65
GHC_2: R16_2.1 U1_2.13 | length 1.4
  Top Layer w0.254: U1_2.13@5.835,8.15 6.646,8.15 6.723,8.073 6.952,8.073 R16_2.1@7.125,7.9
GHC_3: R16_3.1 U1_3.13 | length 1.4
  Top Layer w0.254: U1_3.13@5.835,-10.65 6.13,-10.65 6.138,-10.658 6.138,-10.674 6.287,-10.823 7.048,-10.823 7.071,-10.8 R16_3.1@7.125,-10.8
GHC_4: R16_4.1 U1_4.13 | length 1.4
  Top Layer w0.254: R16_4.1@-7.125,-7.9 -6.287,-7.9 -6.138,-8.049 -6.138,-8.142 -6.13,-8.15 U1_4.13@-5.835,-8.15
GLA_1: R13_1.1 U1_1.11 | length 3.3
  Top Layer w0.254: R13_1.1@-6.625,13.2 -6.55,13.2 -6.377,13.027 -6.377,12.565 -5.912,12.1 -4.907,12.1 -4.658,11.851 -4.658,11.343 U1_1.11@-4.65,11.335
GLA_2: R13_2.1 U1_2.11 | length 1.5
  Top Layer w0.254: U1_2.11@4.65,7.465 4.658,7.457 4.658,6.854 5.027,6.485 5.027,6.348 R13_2.1@5.2,6.175
GLA_3: R13_3.1 U1_3.11 | length 4.9
  Top Layer w0.254: U1_3.11@4.65,-11.335 4.658,-11.343 4.658,-11.851 5.207,-12.4 R13_3.1@8.825,-12.4
GLA_4: R13_4.1 U1_4.11 | length 1.5
  Top Layer w0.254: R13_4.1@-5.2,-6.175 -5.027,-6.348 -5.027,-6.485 -4.658,-6.854 -4.658,-7.457 U1_4.11@-4.65,-7.465
GLB_1: R15_1.1 U1_1.10 | length 1.7
  Top Layer w0.254: R15_1.1@-4.425,12.9 -4.35,12.9 -4.15,12.7 U1_1.10@-4.15,11.335
GLB_2: R15_2.1 U1_2.10 | length 1.3
  Top Layer w0.254: U1_2.10@4.15,7.465 4.15,6.225 R15_2.1@4.2,6.175
GLB_3: R15_3.1 U1_3.10 | length 6.7
  Top Layer w0.254: U1_3.10@4.15,-11.335 4.15,-12.15 4.9,-12.9 8,-12.9 8.289,-13.189 9.414,-13.189 R15_3.1@9.525,-13.3
GLB_4: R15_4.1 U1_4.10 | length 1.3
  Top Layer w0.254: R15_4.1@-4.2,-6.175 -4.15,-6.225 U1_4.10@-4.15,-7.465
GLC_1: R17_1.1 U1_1.9 | length 1.2
  Top Layer w0.254: U1_1.9@-3.65,11.335 -3.642,11.343 -3.642,12.028 -3.493,12.177 -3.473,12.177 -3.3,12.35 R17_1.1@-3.3,12.425
GLC_2: R17_2.1 U1_2.9 | length 1.5
  Top Layer w0.254: R17_2.1@3.2,6.175 3.2,6.25 3.3,6.35 3.3,6.412 3.642,6.754 3.642,7.457 U1_2.9@3.65,7.465
GLC_3: R17_3.1 U1_3.9 | length 8.1
  Top Layer w0.254: U1_3.9@3.65,-11.335 3.65,-12.397 3.7,-12.447 v1(3.7,-12.5)
  Layer 3 w0.254: v1(3.7,-12.5) 4.169,-12.969 4.169,-13.469 4.725,-14.025 v1(9.7,-14.025)
GLC_4: R17_4.1 U1_4.9 | length 1.5
  Top Layer w0.254: U1_4.9@-3.65,-7.465 -3.642,-7.457 -3.642,-6.754 -3.3,-6.412 -3.3,-6.35 -3.2,-6.25 R17_4.1@-3.2,-6.175
GND: C1.1 C2.1 C3.1 C4.1 C5.1 C6.1 C7.2 C8.2 C9.1 C11.1 C12.1 C13.1 C14.1 C15.2 C16.1 C16_1.1 C16_2.1 C16_3.1 C16_4.1 C17.1 C17_1.1 C17_2.1 C17_3.1 C17_4.1 C18.1 C19.1 C20.1 C21.1 C22.1 C23.1 C24.1 C25.1 C26.1 C27.1 C28.1 C29.1 C30.1 C31.1 C32_1.2 C32_2.2 C32_3.2 C32_4.2 J1.1 J1.7 J2.1 J2.7 pad.2@5.8,-14.8 Q6_1.1 Q6_1.2 Q6_1.3 Q6_2.1 Q6_2.2 Q6_2.3 Q6_3.1 Q6_3.2 Q6_3.3 Q6_4.1 Q6_4.2 Q6_4.3 R1_1.1 R1_2.1 R1_3.1 R1_4.1 R10_1.1 R10_2.1 R10_3.1 R10_4.1 R11_1.1 R11_2.1 R11_3.1 R11_4.1 R12_1.1 R12_2.1 R12_3.1 R12_4.1 R18_1.1 R18_2.1 R18_3.1 R18_4.1 U1.2 U1_1.6 U1_1.25 U1_2.6 U1_2.25 U1_3.6 U1_3.25 U1_4.6 U1_4.25 U2.4 U3_1.0 U3_1.14 U3_1.16 U3_1.31 U3_1.32 U3_2.0 U3_2.14 U3_2.16 U3_2.31 U3_2.32 U3_3.0 U3_3.14 U3_3.16 U3_3.31 U3_3.32 U3_4.0 U3_4.14 U3_4.16 U3_4.31 U3_4.32 U4_1.2 U4_1.4 U4_1.6 U4_1.9 U4_2.2 U4_2.4 U4_2.6 U4_2.9 U4_3.2 U4_3.4 U4_3.6 U4_3.9 U4_4.2 U4_4.4 U4_4.6 U4_4.9 | length 178.9
  Top Layer w0.22: v1(-4.8,8.5) v1(-3.9,9.4) -2.705,10.595 -2.406,10.595 -2.376,10.625 -2.075,10.625 U1_1.6@-2.059,10.642 ; v1(-3.9,-9.4) v1(-3,-8.5) -2.705,-8.205 -2.421,-8.205 -2.406,-8.205 -2.376,-8.175 -1.99,-8.175 U1_4.6@-1.965,-8.15 ; U1_3.6@1.965,-10.65 1.99,-10.625 2.376,-10.625 2.406,-10.595 2.705,-10.595 3.107,-10.192 3.107,-9.507 3.215,-9.4 v1(3.9,-9.4) ; U1_2.6@1.965,8.15 1.99,8.175 2.376,8.175 2.406,8.205 2.705,8.205 v1(3,8.5) v1(3.9,9.4)
  Top Layer w0.254: C22.1@0.4,-0.7 v1(0.4,-0.6) ; C1.1@0.4,1.2 C1.1@0.6,1.4
  Top Layer w0.5: v1(-7.2,-0.075) -6.225,-0.075 -5.95,-0.35 U2.4@-5.95,-0.5 -5.95,-1.85 v1(-6.1,-2) ; v1(-2.122,3.084) -2.141,3.084 -2.225,3 -2.225,2.95 -1.65,2.375 -1.65,1.9 -1.25,1.5 v1(-1.2,1.5)
  Top Layer w0.512: C22.1@0.4,-0.7 0.5,-0.8 3.1,-0.8 ; U1.2@3.05,0.5 3.05,-0.75 3.1,-0.8 ; v1(5.4,-0.7) 5.4,-0.725 C9.1@5.45,-0.775 ; C6.1@5.572,0.353 C6.1@5.45,0.475 ; C7.2@6.8,0.475 6.125,0.475 ; C8.2@6.85,-0.775 6.825,-0.8 6.125,-0.8 ; C8.2@6.85,-0.65 v1(6.8,-0.7) 6.8,-0.138 ; C7.2@6.85,0.475 6.8,0.425 6.8,-0.138 ; 3.1,-0.8 v1(3.6,-0.8) 5.425,-0.8 C9.1@5.45,-0.775 ; C9.1@5.45,-0.775 5.45,-0.138 ; C9.1@5.45,-0.775 5.475,-0.8 6.125,-0.8 ; 5.45,-0.138 6.125,-0.138 ; 5.45,-0.138 C6.1@5.45,0.475 ; C6.1@5.45,0.475 6.125,0.475 ; 6.125,-0.8 6.125,-0.138 ; 6.125,-0.138 6.125,0.475 ; 6.125,-0.138 6.8,-0.138
  Top Layer w1: v1(-1.2,1.5) -1.15,1.45 0.55,1.45 C1.1@0.6,1.4 ; v1(0.4,-0.6) C1.1@0.4,1.2
  Bottom Layer w0.127: U3_1.0@-5.65,9.35 v1(-4.8,8.5) ; U3_4.0@-3,-9.5 v1(-3,-9.4) ; U3_3.0@3.65,-7.35 U3_3.0@4.4,-8.1 ; v1(4.8,-8.5) U3_3.0@5.65,-9.35
  Bottom Layer w0.22: U3_1.0@-4.4,8.1 -3.65,7.35 -2.66,6.36 -2.06,6.36 U3_1.16@-2.05,6.35 ; U3_4.0@-3,-9.5 -2.785,-9.715 -2.573,-9.715 -2.478,-9.81 -2.09,-9.81 U3_4.16@-2.05,-9.85 ; U3_3.16@2.05,-6.35 2.06,-6.36 2.66,-6.36 U3_3.0@3.65,-7.35 ; U3_2.16@2.05,9.85 2.06,9.84 2.66,9.84 3.65,8.85 U3_2.0@4.4,8.1
  Bottom Layer w0.254: R1_1.1@-9.8,3.3 -9.452,2.952 -7.571,2.952 -7.539,2.92 C32_1.2@-6.9,2.92 -6.88,2.92 -5.71,1.75 U4_1.6@-4.75,1.75 -4.123,1.75 -3.925,1.948 U4_1.9@-3.925,2 ; R10_1.1@-8.4,13.625 -8.4,13.82 v1(-8.34,13.88) ; C16_1.1@-7.5,12.04 -7.47,12.07 -6.73,12.07 v1(-6.7,12.1) ; U3_4.31@-6.75,-6.85 U3_4.0@-5.65,-6.85 ; U3_4.32@-6.75,-6.35 -6.6,-6.35 -6.448,-6.502 -5.998,-6.502 U3_4.0@-5.65,-6.85 ; U3_1.31@-6.75,9.35 U3_1.0@-5.65,9.35 ; U3_1.32@-6.75,9.85 -6.727,9.827 -6.439,9.827 -6.435,9.823 -6.123,9.823 U3_1.0@-5.65,9.35 ; R11_1.1@-6.4,14.125 v1(-6.4,14.2) ; C32_4.2@-6.08,-2.76 C32_4.2@-6.1,-2.76 -6.1,-2.25 ; v1@-6.047,-2 v1(-6.1,-2) -6.1,-2.25 ; v1(-4.916,0.648) -4.879,0.686 -4.495,0.686 -4.123,1.058 -4.123,1.677 U4_1.9@-3.8,2 U4_1.9@-3.8,2.1 ; v1(-4.8,9.4) -4.85,9.35 U3_1.0@-5.65,9.35 ; U4_4.4@-4.75,-1.25 -4.748,-1.252 -4.198,-1.252 -3.8,-1.65 U4_4.9@-3.8,-2 ; v1(-4.6,14.4) -4.425,14.4 R12_1.1@-4.4,14.425 ; U3_4.0@-4.4,-8.1 U3_4.0@-5.65,-6.85 ; U4_1.9@-4.05,1.65 -3.8,1.65 -3.402,1.252 -2.852,1.252 U4_1.4@-2.85,1.25 ; v1(-3.9,-8.5) -3.55,-8.85 U3_4.14@-2.05,-8.85 ; U4_1.9@-3.85,2.05 U4_1.9@-3.8,2.1 ; U3_1.0@-3.65,7.35 U3_1.14@-2.05,7.35 ; U4_4.6@-2.85,-1.75 -3.55,-1.75 U4_4.9@-3.8,-2 ; v1(-1.2,1.5) -1.905,2.205 -2.486,2.205 -2.529,2.248 -2.848,2.248 U4_1.2@-2.85,2.25 -3.65,2.25 U4_1.9@-3.8,2.1 ; C17_1.1@-0.86,4.8 -0.687,4.627 -0.687,4.117 -0.641,4.07 -0.641,3.613 -1.207,3.047 -2.085,3.047 v1(-2.122,3.084) -2.175,3.084 -2.377,3.286 -3.651,3.286 -3.8,3.137 U4_1.9@-3.8,2.1 ; v1@0.445,12.2 v1(0.464,12.219) 0.501,12.181 0.599,12.181 1.06,11.72 C17_2.1@1.06,11.7 ; C17_3.1@1.6,-4.66 1.62,-4.66 2.479,-3.801 3.059,-3.801 C32_3.2@3.16,-3.7 3.333,-3.527 3.333,-3.325 3.477,-3.181 3.477,-2.323 U4_3.9@3.55,-2.25 ; U3_3.14@2.05,-7.35 U3_3.0@3.65,-7.35 ; U3_2.14@2.05,8.85 U3_2.0@3.65,8.85 ; v1(2.8,0.37) 2.073,1.097 2.073,1.492 2.329,1.748 2.848,1.748 U4_2.6@2.85,1.75 3.55,1.75 U4_2.9@3.8,2 U4_2.9@4.05,2.25 ; U4_3.2@2.85,-2.25 U4_3.9@3.55,-2.25 ; U4_3.4@2.85,-1.25 2.853,-1.252 3.202,-1.252 U4_3.9@3.6,-1.65 ; v1(3.6,-0.8) U4_3.9@3.6,-1.65 ; U4_2.9@3.6,1.65 3.8,1.65 4.198,1.252 4.748,1.252 U4_2.4@4.75,1.25 ; U4_3.9@3.737,-1.937 U4_3.9@3.8,-1.873 ; C26.1@4,-15.2 4.4,-15.2 v2(4.4,-15.9) v2(5.8,-15.9) ; U3_3.0@4.4,-8.1 v1(4.8,-8.5) ; U3_2.0@4.4,8.1 5.6,6.9 5.6,6.8 5.7,6.8 6.123,6.377 6.435,6.377 6.439,6.373 6.727,6.373 U3_2.32@6.75,6.35 ; v1(4.4,14.4) R12_2.1@4.4,14.425 ; U4_3.6@4.75,-1.75 3.923,-1.75 U4_3.9@3.8,-1.873 ; U4_2.2@4.75,2.25 U4_2.9@4.05,2.25 ; C16_3.1@5.54,-12.2 5.613,-12.273 6.221,-12.273 6.348,-12.4 8.525,-12.4 8.877,-12.752 8.877,-13.127 9.05,-13.3 R12_3.1@9.125,-13.3 9.125,-14.527 8.91,-14.527 9.083,-14.7 R10_3.1@9.125,-14.7 R11_3.1@9.125,-15.7 ; U3_2.0@5.65,6.85 U3_2.31@6.75,6.85 ; C25.1@5.8,-15.2 5.8,-15.3 v2(5.8,-15.9) ; v1(6.4,14.1) R11_2.1@6.4,14.125 ; C32_2.2@6.6,3.16 6.58,3.16 6.407,3.333 4.533,3.333 4.402,3.202 4.383,3.202 4.123,2.942 4.123,2.323 U4_2.9@4.05,2.25 ; U3_3.32@6.75,-9.85 6.6,-9.85 6.448,-9.698 5.998,-9.698 5.65,-9.35 U3_3.31@6.75,-9.35 ; C23.1@7.7,-15.3 C23.1@7.6,-15.2 7.5,-15.3 7.2,-15.6 v2(7.2,-15.9) v2(5.8,-15.9) ; R10_2.1@8.4,13.625 8.4,13.55 8.573,13.377 8.711,13.377 9.015,13.073 9.527,13.073 10.027,12.573 10.027,11.623 10.55,11.1 C20.1@10.6,11.1 ; -6.1,-2.25 U4_4.2@-4.75,-2.25 -4.05,-2.25 U4_4.9@-3.8,-2 ; U4_3.9@3.55,-2.25 U4_3.9@3.8,-2 U4_3.9@3.8,-1.873 ; U4_3.9@3.6,-1.65 3.8,-1.85 U4_3.9@3.8,-1.873
  Bottom Layer w0.4: Q6_4.3@-12.83,-9.925 Q6_4.2@-12.83,-9.275 Q6_4.1@-12.83,-8.625 ; Q6_1.3@-12.83,9.275 Q6_1.2@-12.83,9.925 Q6_1.1@-12.83,10.575 ; Q6_3.1@12.83,-10.575 Q6_3.2@12.83,-9.925 Q6_3.3@12.83,-9.275 ; Q6_2.1@12.83,8.625 Q6_2.2@12.83,9.275 Q6_2.3@12.83,9.925
  Bottom Layer w0.712: C26.1@4,-15.2 C26.1@4.1,-15.3 ; C25.1@5.8,-15.3 C25.1@5.9,-15.3 ; C23.1@7.7,-15.3 8.9,-15.3
  Bottom Layer w1: C25.1@5.8,-15.2 C25.1@5.9,-15.3 ; C23.1@7.5,-15.3 C23.1@7.65,-15.3
  Bottom Layer w1.2: C31.1@-10.65,-11 C31.1@-10.6,-11 ; C29.1@-9.8,-7.7 C19.1@-9.8,-1.1 C4.1@-9.8,1.1 -9.8,3.3 C11.1@-9.8,7.7 C3.1@-9.8,9.9 ; C5.1@-7.3,-13.6 C21.1@-5.5,-13.6 C18.1@-3.7,-13.6 ; C26.1@4.4,-15.2 C25.1@5.8,-15.2 C23.1@7.6,-15.2 ; C28.1@9.8,-9.7 C27.1@9.8,-7.7 9.8,-3.3 C30.1@9.8,-1.1 C24.1@9.8,1.1 C2.1@9.8,7.7
  other v1: -15.8,-11.45 15.8,-11.45 -4.8,-9.4 3,-9.4 4.8,-9.4 -4.8,-8.5 3,-8.5 3.9,-8.5 -15.8,-7.75 15.8,-7.75 -15.8,-4.05 15.8,-4.05 -5.927,-0.8 -15.8,0 15.8,0 -15.8,4.05 15.8,4.05 -15.8,7.75 15.8,7.75 -3.9,8.5 -3,8.5 3.9,8.5 4.8,8.5 -3,9.4 3,9.4 4.8,9.4 -15.8,11.55 15.8,11.55 -15.8,13.1 15.8,13.1 -15.4,14.4 15.4,14.4
  other v2: 4.4,-14.8 5.8,-14.8 7.2,-14.8
GU_H1: Q1_1.4 R3_1.2 | length 9.5
  Top Layer w0.254: Q1_1.4@-12.77,1.225 -12.683,1.225 -12.6,1.142 v1(-12.6,0.5)
  Layer 3 w0.254: v1(-12.6,0.5) -12.638,0.538 -12.638,1.099 -12.8,1.261 -12.8,1.7 -9.1,5.4 -7.13,5.4 v1(-7.027,5.297)
GU_H2: Q1_2.4 R16_2.2 | length 7.8
  Top Layer w0.127: R16_2.2@8.327,8.141 R16_2.2@8.335,8.15
  Top Layer w0.254: v1@12.5,3.8 12.5,3.761 v1@12.567,3.694 ; v1(12.501,3.835) 12.501,3.782 12.567,3.715 v1@12.567,3.694 ; Q1_2.4@12.77,3.175 12.65,3.175 12.567,3.258 v1@12.567,3.694
  Layer 3 w0.254: v1(8.3,7.9) 9.7,6.5 9.7,5 10.865,3.835 v1(12.501,3.835)
GU_H3: Q1_3.4 R3_3.2 | length 8.3
  Top Layer w0.254: v1(12.5,-0.59) 12.5,-0.643 12.567,-0.71 12.567,-1.142 12.65,-1.225 Q1_3.4@12.77,-1.225
  Layer 3 w0.254: v1(7.637,-5.663) 7.637,-5.609 7.8,-5.447 7.8,-5.4 9.1,-4.1 9.745,-4.1 12.5,-1.345 v1@12.5,-0.6
GU_H4: Q1_4.4 R16_4.2 | length 7.9
  Top Layer w0.254: Q1_4.4@-12.77,-3.175 -12.697,-3.248 v1(-12.697,-3.81)
  Layer 3 w0.254: v1(-12.697,-3.81) -12.697,-3.854 -12.9,-4.057 -12.9,-5.3 -12,-6.2 -10,-6.2 v1(-8.3,-7.9)